# KiCad board ligra_front.kicad_pcb
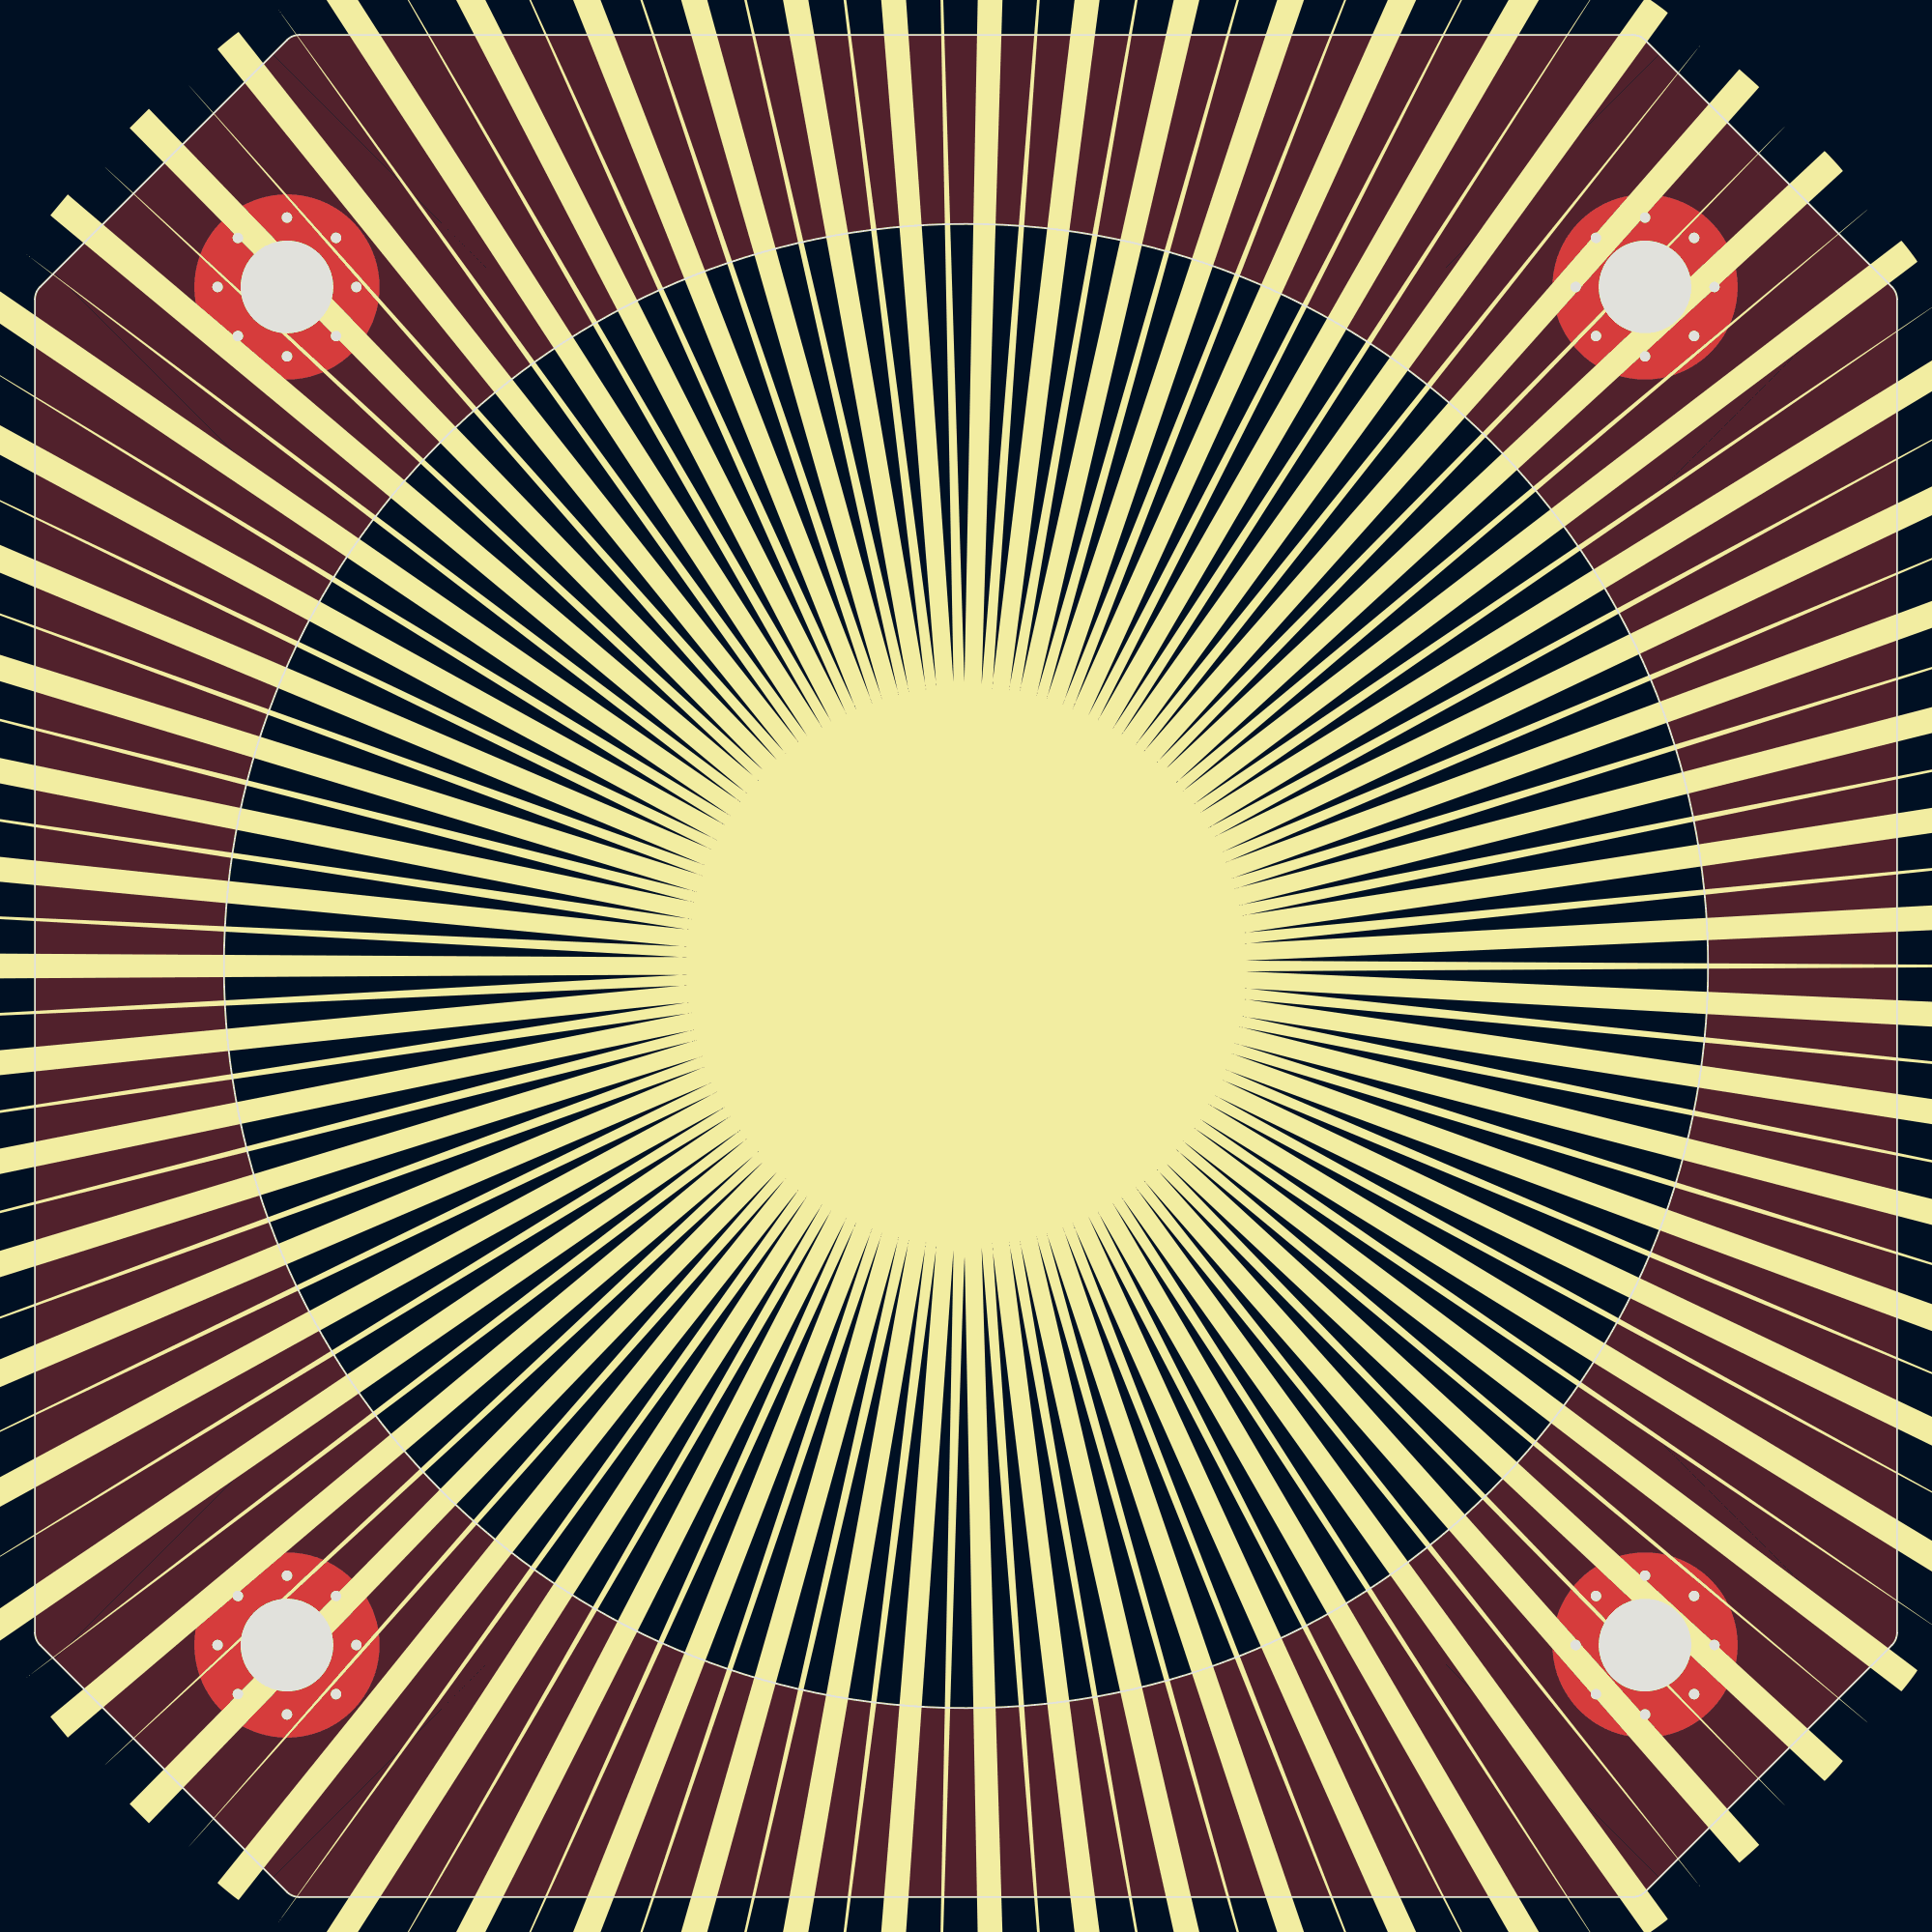
[diagram p0: board, top side]
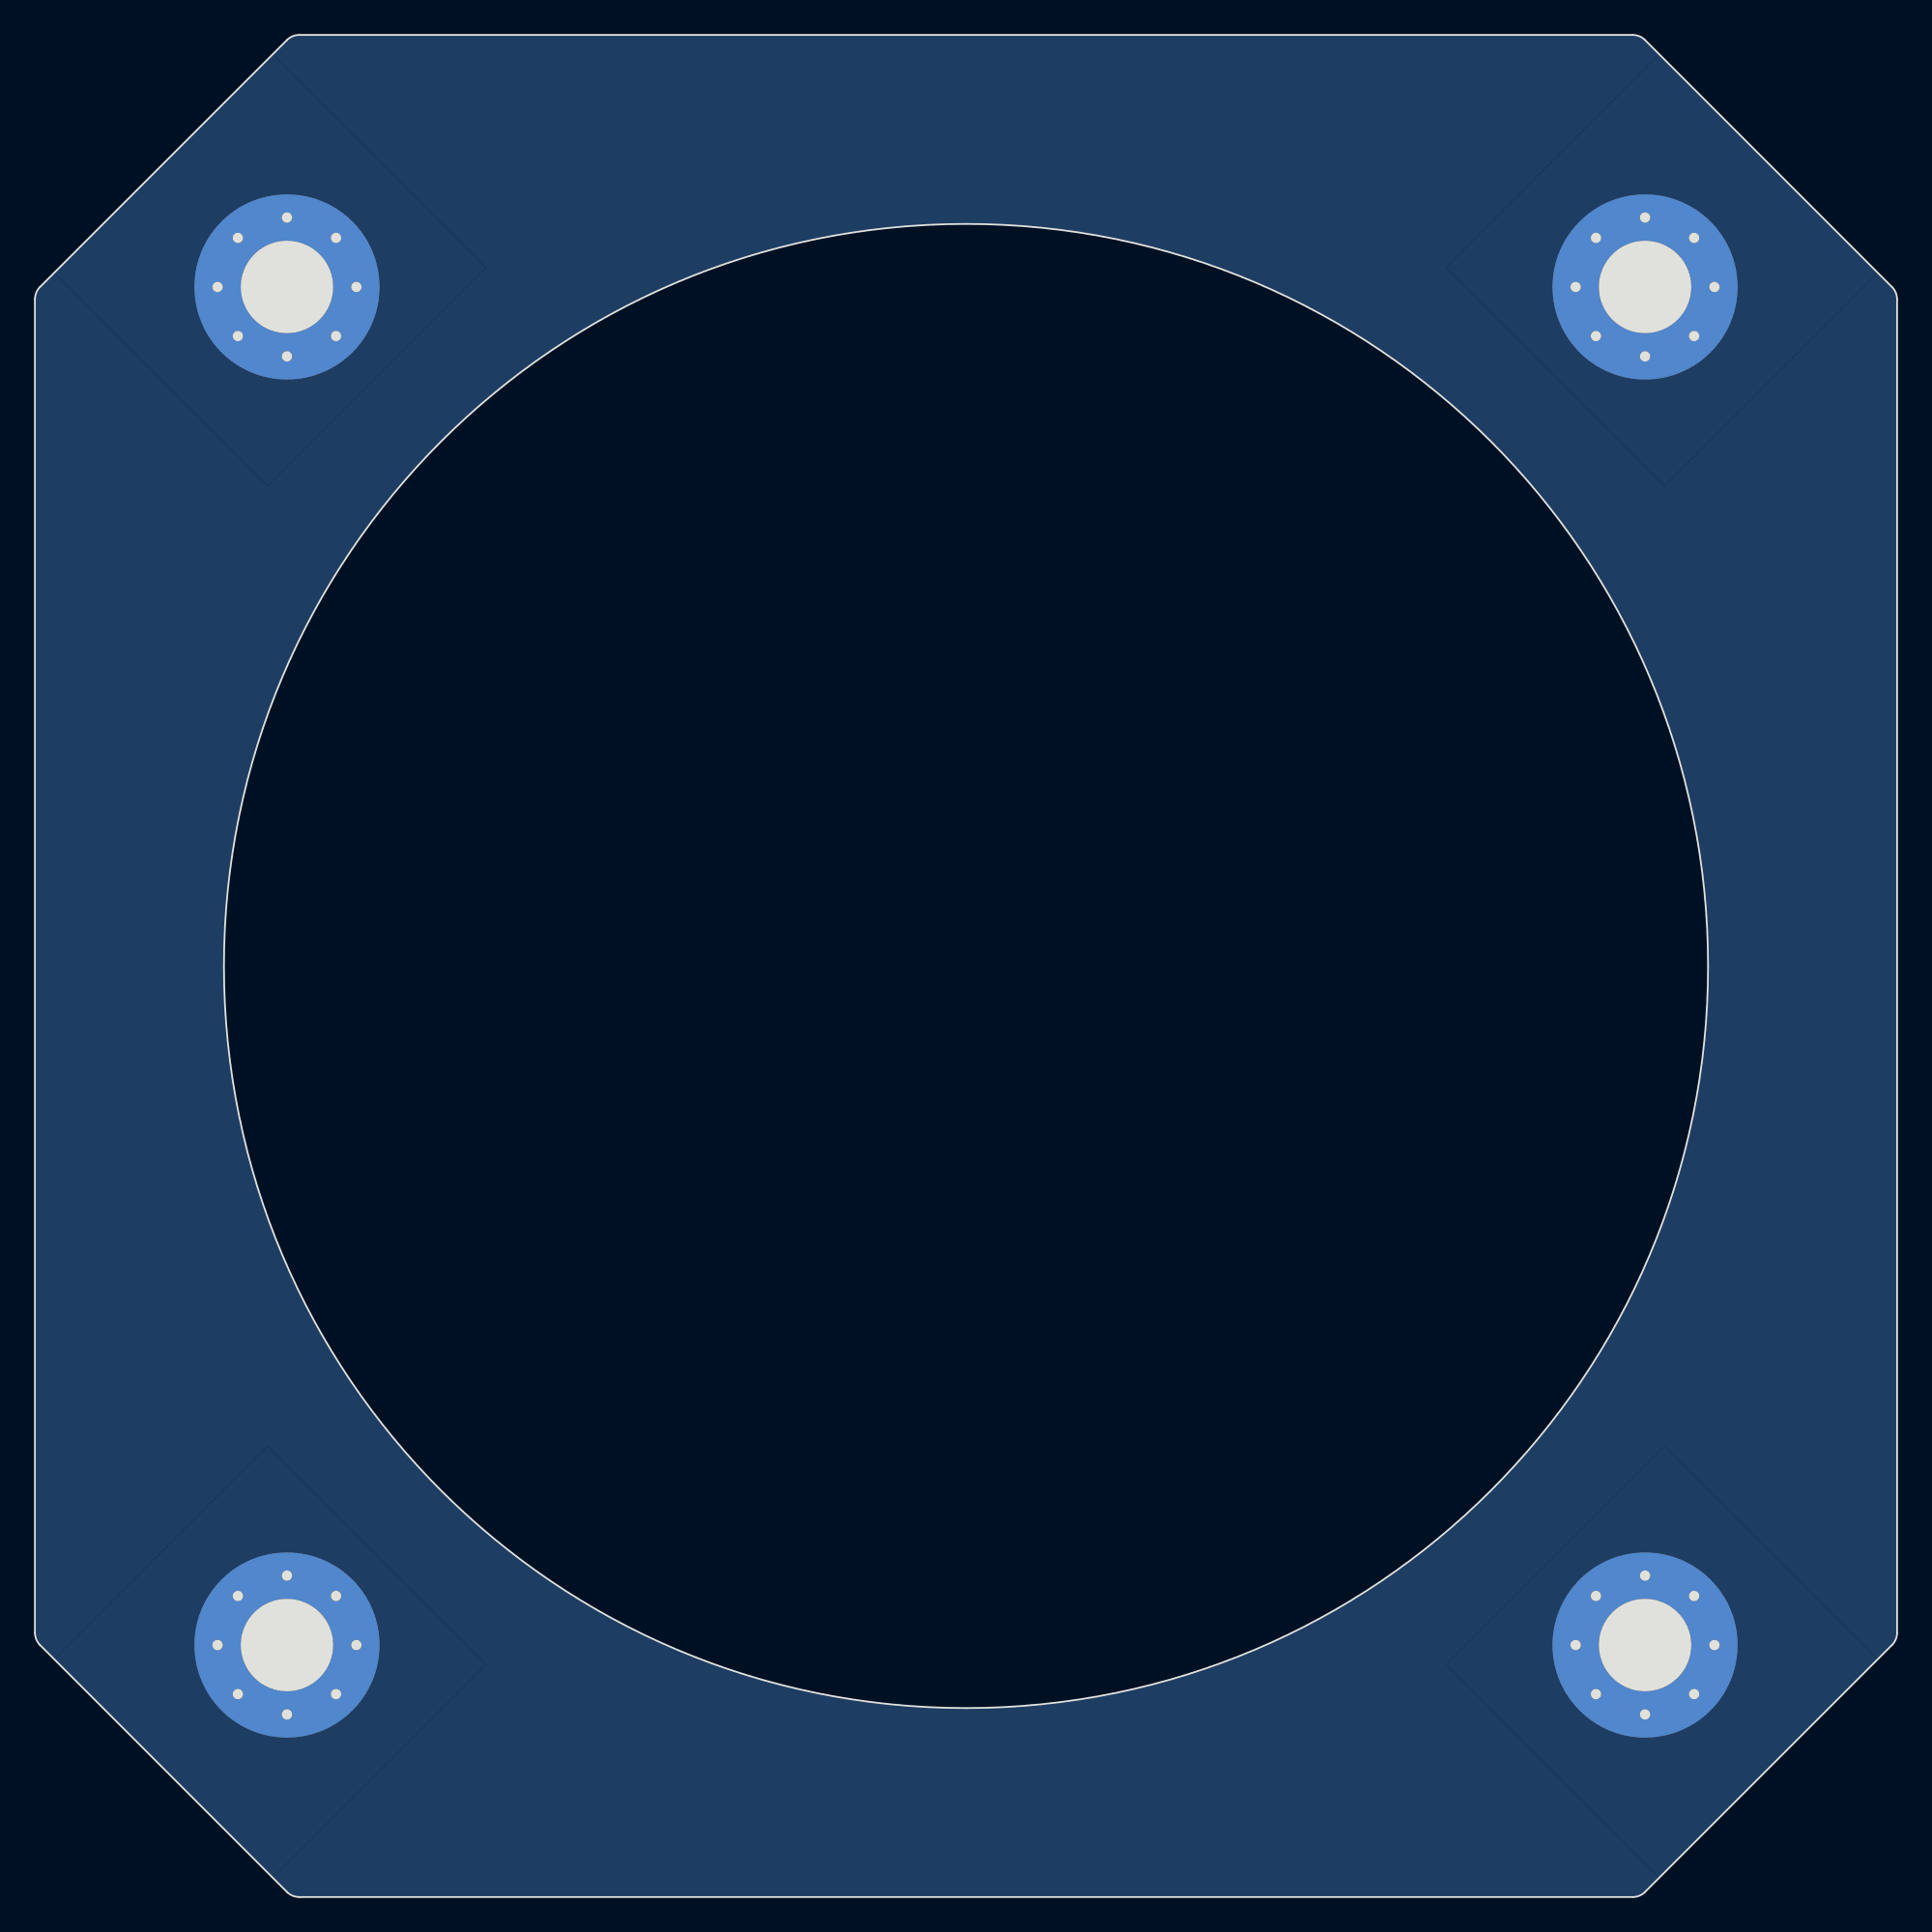
[diagram p1: board, bottom side, seen from below]

Outline 106.65 x 106.65 mm; copper layers: Top, Bottom. Coordinates in mm from the lower left corner of the outline.
Outline path: circle c53.33,53.33 r42.5 ; 0,91.51 0,15.14 arc(0.08,14.76) 0.29,14.44 14.44,0.29 arc(14.76,0.08) 15.14,0 91.51,0 arc(91.89,0.08) 92.22,0.29 106.36,14.44 arc(106.58,14.76) 106.65,15.14 106.65,91.51 arc(106.58,91.89) 106.36,92.22 92.22,106.36 arc(91.89,106.58) 91.51,106.65 15.14,106.65 arc(14.76,106.58) 14.44,106.36 0.29,92.22 arc(0.08,91.89) 0,91.51
Stack: Top 0.035mm / dielectric 1.51mm FR4 er 4.5 / Bottom 0.035mm

## Placement (name value [footprint] x y rotation side)
G***  -  [LOGO]  53.33 53.33 0 top
G***#2  -  [LOGO]  53.33 53.33 180 bottom
J1  Mount  [MountingHole_5.3mm_M5_Pad_Via]  14.44 92.22 0 top
J2  Mount  [MountingHole_5.3mm_M5_Pad_Via]  92.22 14.44 315 top
J3  Mount  [MountingHole_5.3mm_M5_Pad_Via]  92.22 92.22 315 top
J4  Mount  [MountingHole_5.3mm_M5_Pad_Via]  14.44 14.44 315 top

## Library data of the parts
J1-J4 = -: Description: Generic screw terminal, single row, 01x01, script generated (kicad-library-utils/schlib/autogen/connector/)

## Footprints (pads in the part's own frame, mm; a bottom-side part is the same pattern mirrored in y, then rotated)
MountingHole_5.3mm_M5_Pad_Via
  round 0.9 hole 0.6: 1(-3.975,0) 1(-2.811,2.811) 1(-2.811,-2.811) 1(0,3.975) 1(0,-3.975) 1(2.811,2.811) 1(2.811,-2.811) 1(3.975,0)
  round 10.6 hole 5.3: 1(0,0)

## Nets
GND: J1.1 J2.1 J3.1 J4.1

## Copper pours and planes (outline as drawn; the poured copper is in the pictures)
GND on Top, Bottom: 93.33,105.83 105.83,93.33 93.33,80.83 80.83,93.33
GND on Top, Bottom: 25.83,13.33 13.33,0.83 0.83,13.33 13.33,25.83
GND on Top, Bottom: -1.67,93.33 -1.67,13.33 13.33,-1.67 93.33,-1.67 108.33,13.33 108.33,93.33 93.33,108.33 13.33,108.33
GND on Top, Bottom: 25.83,93.33 13.33,80.83 0.83,93.33 13.33,105.83
GND on Top, Bottom: 105.83,13.33 93.33,0.83 80.83,13.33 93.33,25.83
